# Altium PCB roach2.PcbDoc (part 1 of 39) (continued)
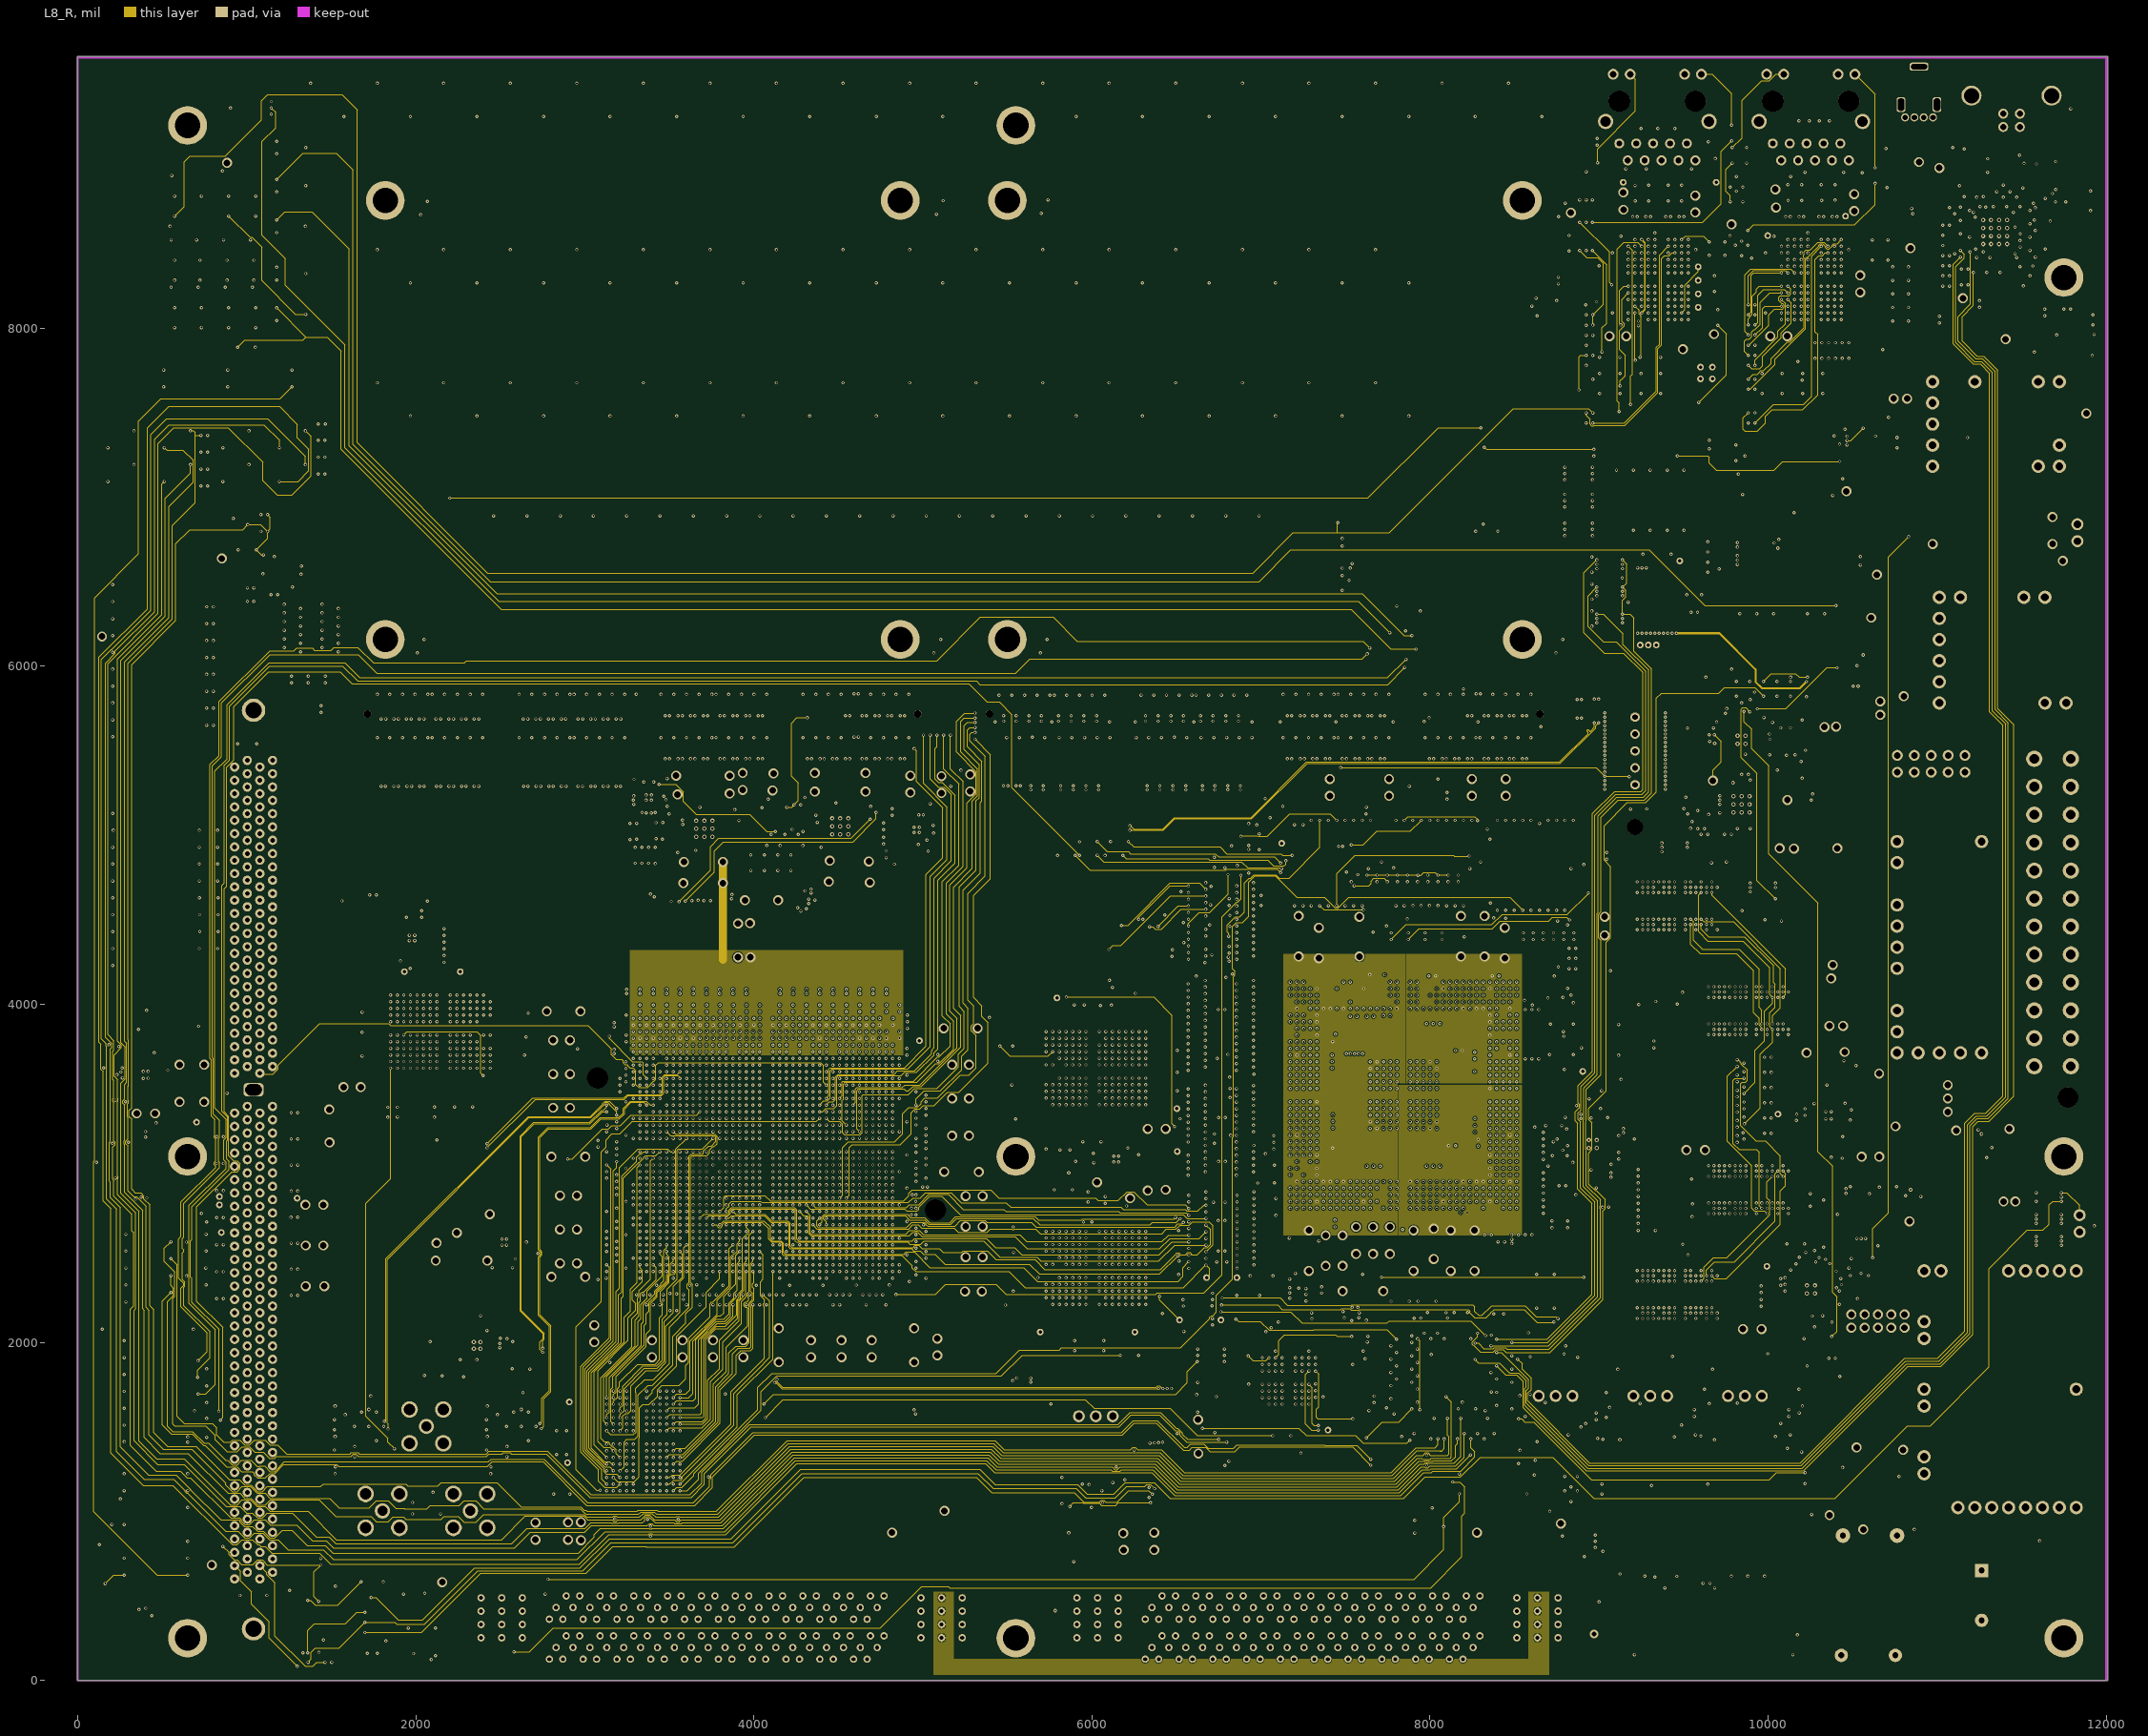
[diagram p8: L8_R]
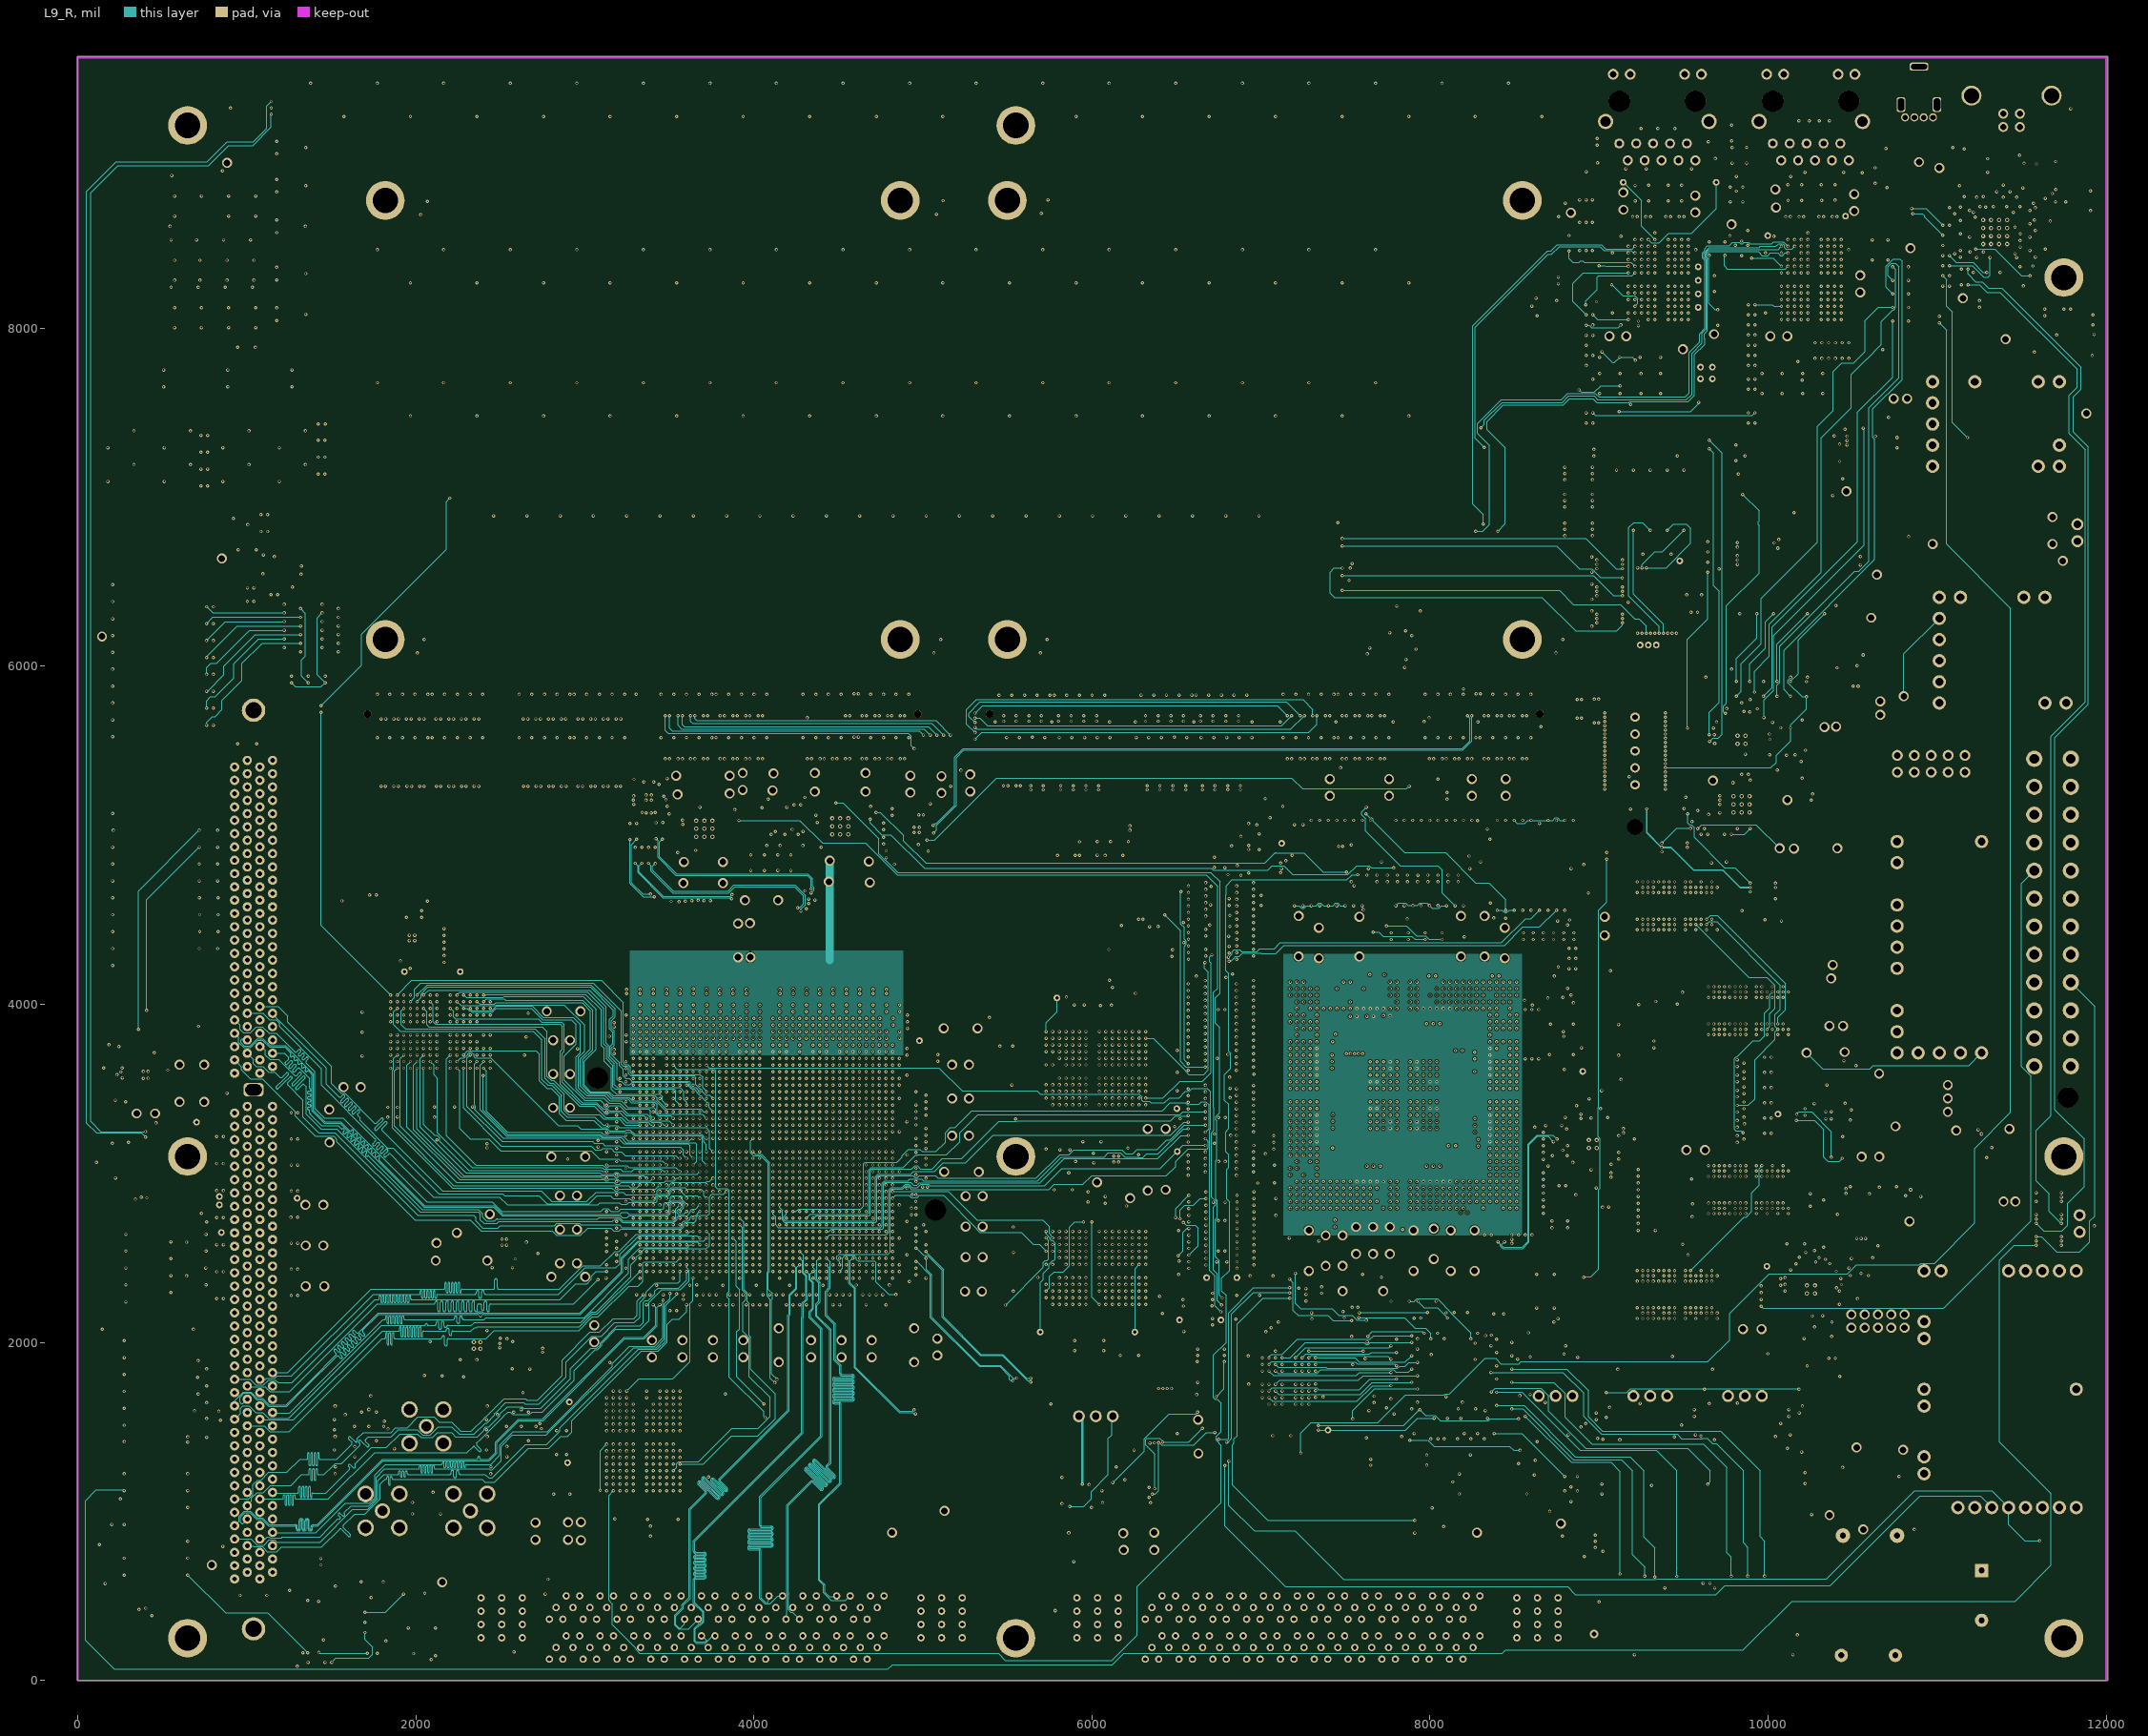
[diagram p9: L9_R]
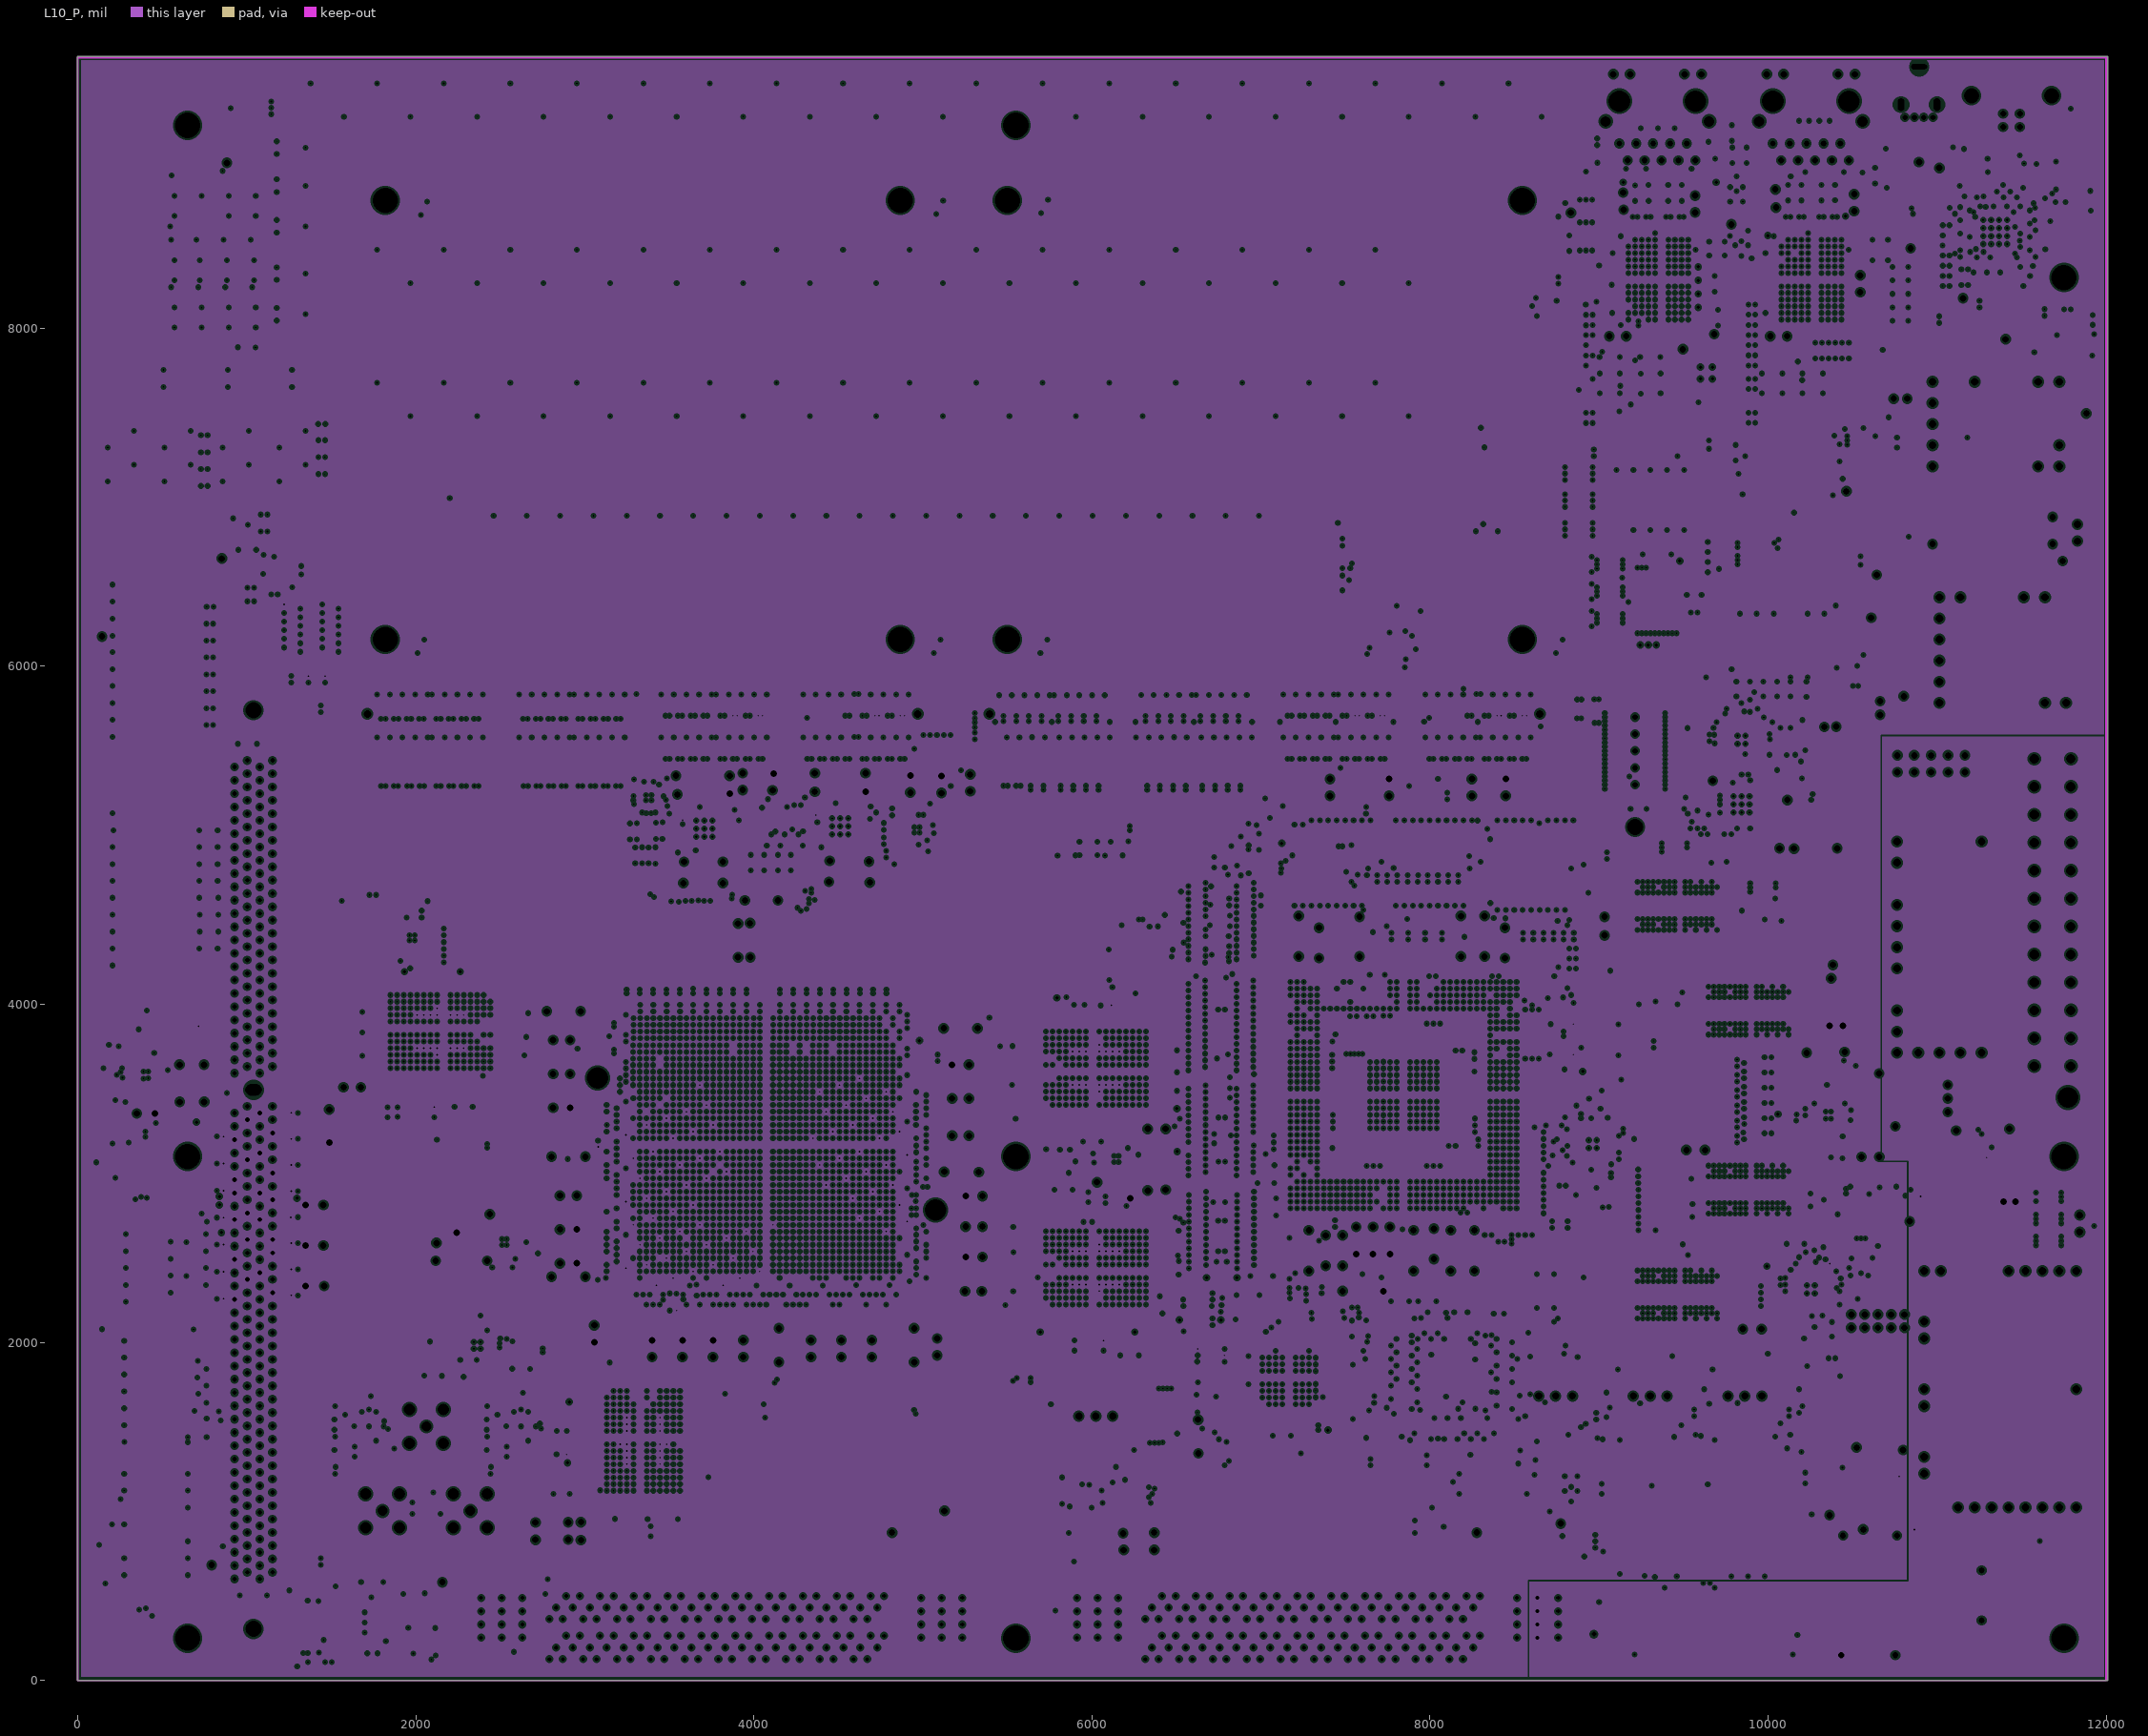
[diagram p10: L10_P, clearances drawn from the general rule]